# KiCad board data-center-ddr5-tester.kicad_pcb (continued)
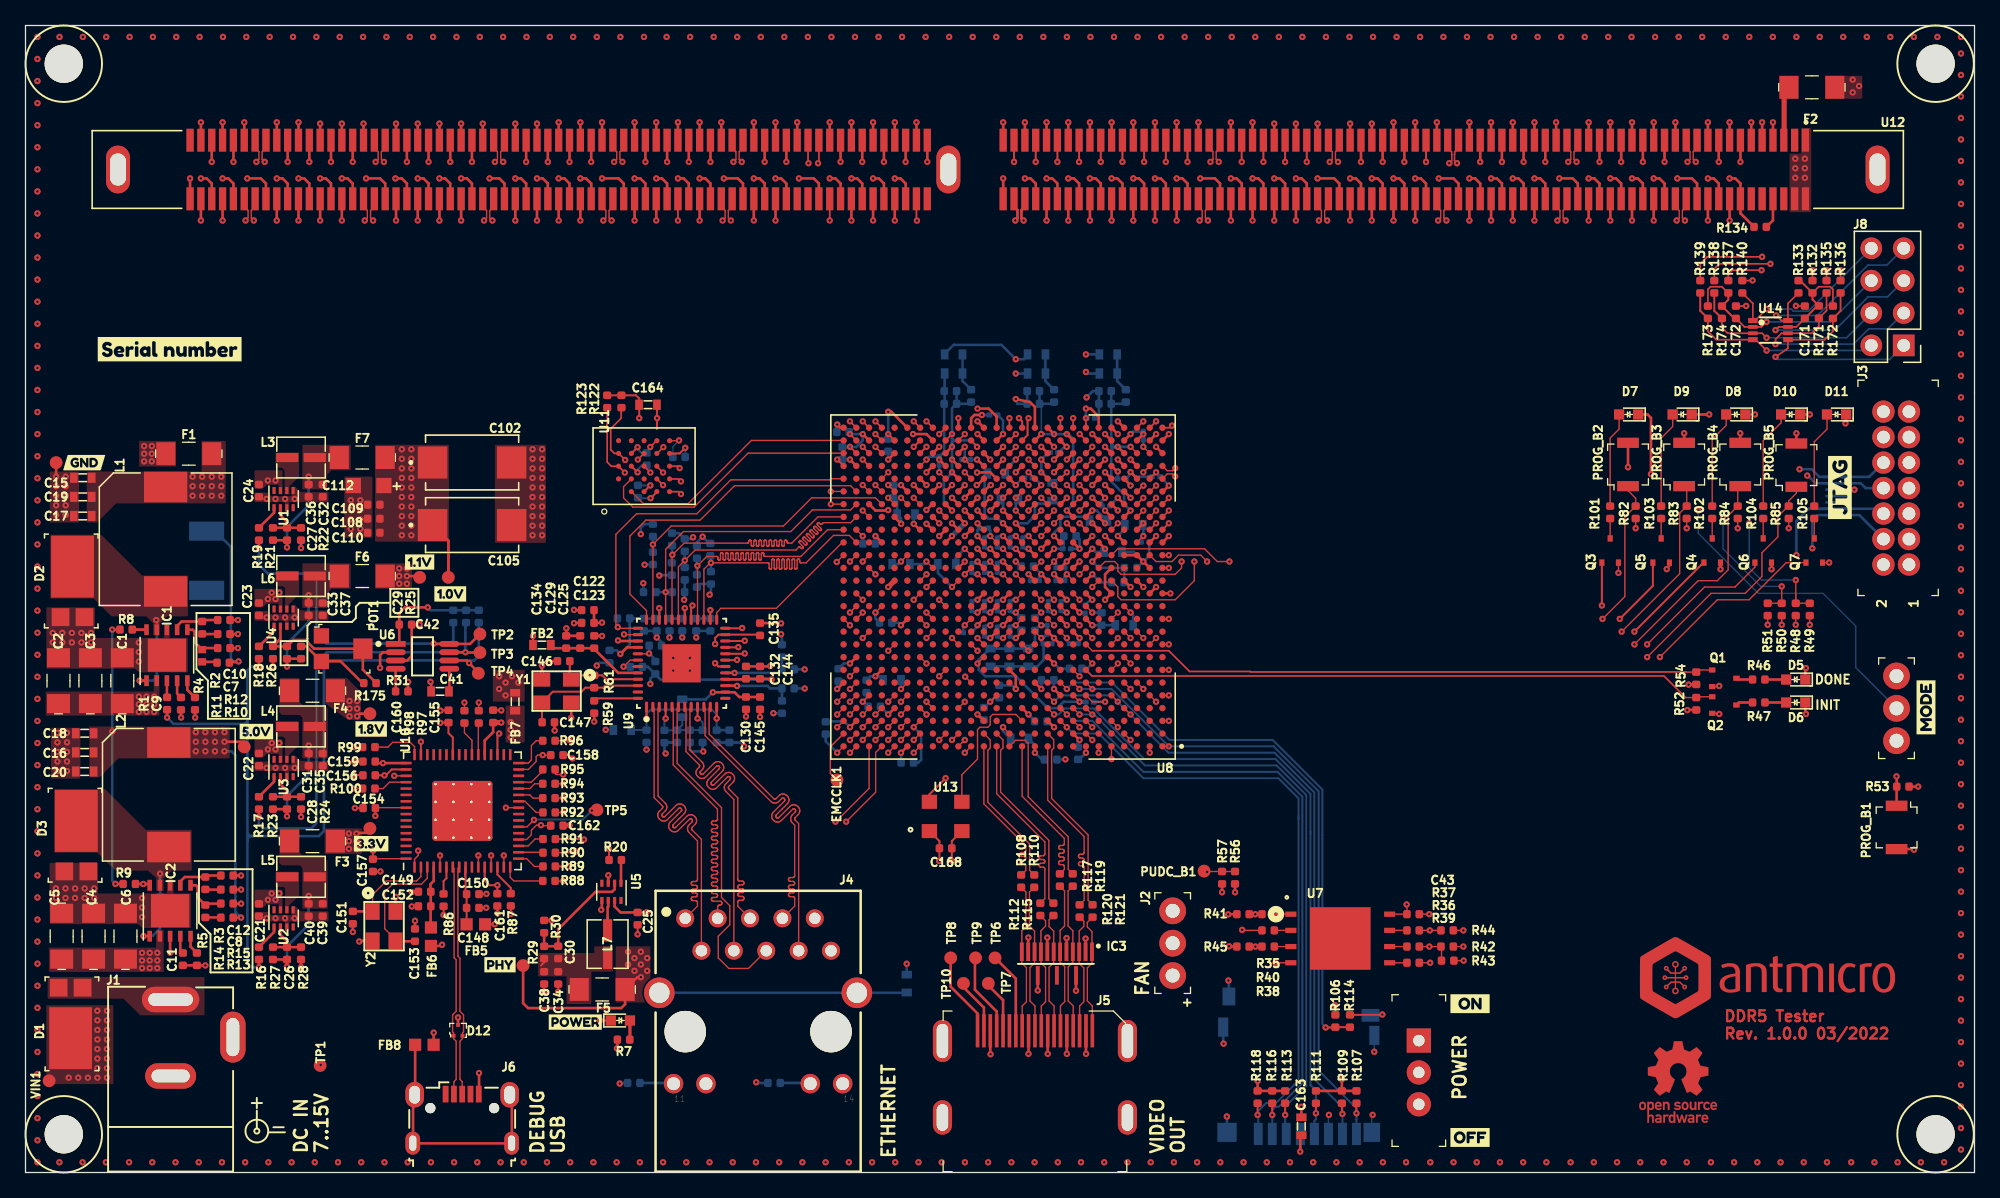
[diagram p0: board, top side]
## Routing (per net, layer and track width the routed paths; a pad name or vN(x,y) marks a point on that pad's centre or on a via; arc(x,y) is an arc through that point) (continued)
DQ4_B: length 57.1
  Top w0.127: U8.AE17 v4(73.64,57.94)
  Top w0.2: U12.107 v4(44.35,79.3)
  In2.Cu w0.127: v4(44.35,79.3) 44.35,78.9 44.35,78.87 44.34,78.84 44.32,78.82 44.3,78.8 44.28,78.79 44.25,78.78 44.22,78.77 44.11,78.77 44.08,78.77 44.06,78.76 44.03,78.75 44.01,78.73 44,78.7 43.99,78.67 43.98,78.65 43.99,78.62 44,78.59 44.01,78.57 44.03,78.55 44.06,78.53 44.08,78.52 44.11,78.52 44.59,78.52 44.62,78.52 44.64,78.51 44.67,78.49 44.69,78.47 44.7,78.45 44.71,78.42 44.72,78.39 44.71,78.36 44.7,78.34 44.69,78.31 44.67,78.29 44.64,78.28 44.62,78.27 44.59,78.27 44.11,78.27 44.08,78.26 44.06,78.25 44.03,78.24 44.01,78.22 44,78.19 43.99,78.17 43.98,78.14 43.99,78.11 44,78.08 44.01,78.06 44.03,78.04 44.06,78.02 44.08,78.01 44.11,78.01 44.59,78.01 44.62,78.01 44.64,78 44.67,77.98 44.69,77.96 44.7,77.94 44.71,77.91 44.72,77.88 44.71,77.86 44.7,77.83 44.69,77.8 44.67,77.78 44.64,77.77 44.62,77.76 44.59,77.76 44.11,77.76 44.08,77.75 44.06,77.74 44.03,77.73 44.01,77.71 44,77.69 43.99,77.66 43.98,77.63 43.99,77.6 44,77.57 44.01,77.55 44.03,77.53 44.06,77.52 44.08,77.51 44.11,77.5 44.59,77.5 44.62,77.5 44.64,77.49 44.67,77.48 44.69,77.46 44.7,77.43 44.71,77.4 44.72,77.38 44.71,77.35 44.7,77.32 44.69,77.3 44.67,77.28 44.64,77.26 44.62,77.25 44.59,77.25 44.11,77.25 44.08,77.25 44.06,77.24 44.03,77.22 44.01,77.2 44,77.18 43.99,77.15 43.98,77.12 43.99,77.09 44,77.07 44.01,77.04 44.03,77.02 44.06,77.01 44.08,77 44.11,77 44.59,77 44.62,76.99 44.64,76.98 44.67,76.97 44.69,76.95 44.7,76.92 44.71,76.9 44.72,76.87 44.71,76.84 44.7,76.81 44.69,76.79 44.67,76.77 44.64,76.75 44.62,76.74 44.59,76.74 44.11,76.74 44.08,76.74 44.06,76.73 44.03,76.71 44.01,76.69 44,76.67 43.99,76.64 43.98,76.61 43.99,76.59 44,76.56 44.01,76.53 44.03,76.51 44.06,76.5 44.08,76.49 44.11,76.49 44.22,76.49 44.25,76.48 44.28,76.47 44.3,76.46 44.32,76.44 44.34,76.42 44.35,76.39 44.35,76.36 44.35,63.98 45.89,62.44 69.39,62.44 71.14,60.69 71.14,57.77 71.47,57.44 U8.AE17 v4(73.64,57.94)
DQ5_A: length 77.6
  Top w0.2: U12.16 v4(126.8,79.3) ; U8.V3 v4(87.64,50.94)
  In2.Cu w0.127: v4(126.8,79.3) 126.8,78.8 126.8,78.77 126.79,78.74 126.77,78.72 126.75,78.7 126.73,78.69 126.7,78.68 126.67,78.67 126.53,78.67 126.51,78.67 126.48,78.66 126.46,78.65 126.43,78.63 126.42,78.6 126.41,78.57 126.41,78.55 126.41,78.52 126.42,78.49 126.43,78.47 126.46,78.45 126.48,78.43 126.51,78.42 126.53,78.42 127.07,78.42 127.09,78.42 127.12,78.41 127.14,78.39 127.17,78.37 127.18,78.35 127.19,78.32 127.19,78.29 127.19,78.26 127.18,78.24 127.17,78.21 127.14,78.19 127.12,78.18 127.09,78.17 127.07,78.16 126.53,78.16 126.51,78.16 126.48,78.15 126.46,78.14 126.43,78.12 126.42,78.09 126.41,78.07 126.41,78.04 126.41,78.01 126.42,77.98 126.43,77.96 126.46,77.94 126.48,77.92 126.51,77.91 126.53,77.91 127.07,77.91 127.09,77.91 127.12,77.9 127.14,77.88 127.17,77.86 127.18,77.84 127.19,77.81 127.19,77.78 127.19,77.76 127.18,77.73 127.17,77.7 127.14,77.68 127.12,77.67 127.09,77.66 127.07,77.66 126.53,77.66 126.51,77.65 126.48,77.64 126.46,77.63 126.43,77.61 126.42,77.59 126.41,77.56 126.41,77.53 126.41,77.5 126.42,77.47 126.43,77.45 126.46,77.43 126.48,77.42 126.51,77.41 126.53,77.4 127.07,77.4 127.09,77.4 127.12,77.39 127.14,77.38 127.17,77.36 127.18,77.33 127.19,77.3 127.19,77.28 127.19,77.25 127.18,77.22 127.17,77.2 127.14,77.18 127.12,77.16 127.09,77.15 127.07,77.15 126.53,77.15 126.51,77.15 126.48,77.14 126.46,77.12 126.43,77.1 126.42,77.08 126.41,77.05 126.41,77.02 126.41,76.99 126.42,76.97 126.43,76.94 126.46,76.92 126.48,76.91 126.51,76.9 126.53,76.9 127.07,76.9 127.09,76.89 127.12,76.88 127.14,76.87 127.17,76.85 127.18,76.82 127.19,76.8 127.19,76.77 127.19,76.74 127.18,76.71 127.17,76.69 127.14,76.67 127.12,76.65 127.09,76.64 127.07,76.64 126.53,76.64 126.51,76.64 126.48,76.63 126.46,76.61 126.43,76.59 126.42,76.57 126.41,76.54 126.41,76.51 126.41,76.49 126.42,76.46 126.43,76.43 126.46,76.41 126.48,76.4 126.51,76.39 126.53,76.39 127.07,76.39 127.09,76.38 127.12,76.37 127.14,76.36 127.17,76.34 127.18,76.32 127.19,76.29 127.19,76.26 127.19,76.23 127.18,76.2 127.17,76.18 127.14,76.16 127.12,76.15 127.09,76.14 127.07,76.13 126.53,76.13 126.51,76.13 126.48,76.12 126.46,76.11 126.43,76.09 126.42,76.06 126.41,76.03 126.41,76.01 126.41,75.98 126.42,75.95 126.43,75.93 126.46,75.91 126.48,75.89 126.51,75.88 126.53,75.88 127.07,75.88 127.09,75.88 127.12,75.87 127.14,75.85 127.17,75.83 127.18,75.81 127.19,75.78 127.19,75.75 127.19,75.72 127.18,75.7 127.17,75.67 127.14,75.65 127.12,75.64 127.09,75.63 127.07,75.62 126.53,75.62 126.51,75.62 126.48,75.61 126.46,75.6 126.43,75.58 126.42,75.55 126.41,75.53 126.41,75.5 126.41,75.47 126.42,75.44 126.43,75.42 126.46,75.4 126.48,75.38 126.51,75.37 126.53,75.37 127.07,75.37 127.09,75.37 127.12,75.36 127.14,75.34 127.17,75.32 127.18,75.3 127.19,75.27 127.19,75.24 127.19,75.22 127.18,75.19 127.17,75.16 127.14,75.14 127.12,75.13 127.09,75.12 127.07,75.12 126.53,75.12 126.51,75.11 126.48,75.1 126.46,75.09 126.43,75.07 126.42,75.05 126.41,75.02 126.41,74.99 126.41,74.96 126.42,74.93 126.43,74.91 126.46,74.89 126.48,74.88 126.51,74.87 126.53,74.86 127.07,74.86 127.09,74.86 127.12,74.85 127.14,74.84 127.17,74.82 127.18,74.79 127.19,74.76 127.19,74.74 127.19,74.71 127.18,74.68 127.17,74.66 127.14,74.64 127.12,74.62 127.09,74.61 127.07,74.61 126.53,74.61 126.51,74.61 126.48,74.6 126.46,74.58 126.43,74.56 126.42,74.54 126.41,74.51 126.41,74.48 126.41,74.45 126.42,74.43 126.43,74.4 126.46,74.38 126.48,74.37 126.51,74.36 126.53,74.35 127.07,74.35 127.09,74.35 127.12,74.34 127.14,74.33 127.17,74.31 127.18,74.28 127.19,74.26 127.19,74.23 127.19,74.2 127.18,74.17 127.17,74.15 127.14,74.13 127.12,74.11 127.09,74.1 127.07,74.1 126.53,74.1 126.51,74.1 126.48,74.09 126.46,74.07 126.43,74.05 126.42,74.03 126.41,74 126.41,73.97 126.41,73.95 126.42,73.92 126.43,73.89 126.46,73.87 126.48,73.86 126.51,73.85 126.53,73.85 127.07,73.85 127.09,73.84 127.12,73.83 127.14,73.82 127.17,73.8 127.18,73.78 127.19,73.75 127.19,73.72 127.19,73.69 127.18,73.66 127.17,73.64 127.14,73.62 127.12,73.61 127.09,73.6 127.07,73.59 126.53,73.59 126.51,73.59 126.48,73.58 126.46,73.57 126.43,73.55 126.42,73.52 126.41,73.49 126.41,73.47 126.41,73.44 126.42,73.41 126.43,73.39 126.46,73.37 126.48,73.35 126.51,73.34 126.53,73.34 127.07,73.34 127.09,73.34 127.12,73.33 127.14,73.31 127.17,73.29 127.18,73.27 127.19,73.24 127.19,73.21 127.19,73.18 127.18,73.16 127.17,73.13 127.14,73.11 127.12,73.1 127.09,73.09 127.07,73.09 126.53,73.09 126.51,73.08 126.48,73.07 126.46,73.06 126.43,73.04 126.42,73.01 126.41,72.99 126.41,72.96 126.41,72.93 126.42,72.9 126.43,72.88 126.46,72.86 126.48,72.84 126.51,72.83 126.53,72.83 126.67,72.83 126.7,72.83 126.73,72.82 126.75,72.8 126.77,72.78 126.79,72.76 126.8,72.73 126.8,72.7 126.8,64.85 112.89,50.94 90.64,50.94 90.14,51.44 88.14,51.44 v4(87.64,50.94)
DQ5_B: length 57.1
  Top w0.2: U12.109 v4(42.65,79.3) ; U8.AD15 v4(75.64,55.94)
  In2.Cu w0.127: v4(75.64,55.94) 75.14,55.44 70.39,55.44 70.14,55.69 70.14,60.19 68.89,61.44 45.14,61.44 42.65,63.93 v4(42.65,79.3)
DQ6_A: length 77.6
  Top w0.2: U12.159 v4(127.65,74.7) ; U8.U2 v4(88.64,49.94)
  In2.Cu w0.127: v4(88.64,49.94) 89.14,50.44 113.39,50.44 127.65,64.7 127.65,65.08 127.65,65.1 127.66,65.13 127.68,65.16 127.7,65.18 127.72,65.19 127.75,65.2 127.78,65.2 127.91,65.2 127.94,65.21 127.97,65.22 127.99,65.23 128.01,65.25 128.03,65.27 128.04,65.3 128.04,65.33 128.04,65.36 128.03,65.39 128.01,65.41 127.99,65.43 127.97,65.44 127.94,65.45 127.91,65.46 127.39,65.46 127.36,65.46 127.33,65.47 127.31,65.48 127.29,65.5 127.27,65.53 127.26,65.56 127.26,65.58 127.26,65.61 127.27,65.64 127.29,65.66 127.31,65.68 127.33,65.7 127.36,65.71 127.39,65.71 127.91,65.71 127.94,65.71 127.97,65.72 127.99,65.74 128.01,65.76 128.03,65.78 128.04,65.81 128.04,65.84 128.04,65.87 128.03,65.89 128.01,65.92 127.99,65.94 127.97,65.95 127.94,65.96 127.91,65.97 127.39,65.97 127.36,65.97 127.33,65.98 127.31,65.99 127.29,66.01 127.27,66.04 127.26,66.06 127.26,66.09 127.26,66.12 127.27,66.15 127.29,66.17 127.31,66.19 127.33,66.21 127.36,66.22 127.39,66.22 127.91,66.22 127.94,66.22 127.97,66.23 127.99,66.25 128.01,66.27 128.03,66.29 128.04,66.32 128.04,66.35 128.04,66.37 128.03,66.4 128.01,66.43 127.99,66.45 127.97,66.46 127.94,66.47 127.91,66.47 127.39,66.47 127.36,66.48 127.33,66.49 127.31,66.5 127.29,66.52 127.27,66.54 127.26,66.57 127.26,66.6 127.26,66.63 127.27,66.66 127.29,66.68 127.31,66.7 127.33,66.71 127.36,66.72 127.39,66.73 127.91,66.73 127.94,66.73 127.97,66.74 127.99,66.75 128.01,66.77 128.03,66.8 128.04,66.83 128.04,66.85 128.04,66.88 128.03,66.91 128.01,66.93 127.99,66.95 127.97,66.97 127.94,66.98 127.91,66.98 127.39,66.98 127.36,66.98 127.33,66.99 127.31,67.01 127.29,67.03 127.27,67.05 127.26,67.08 127.26,67.11 127.26,67.14 127.27,67.16 127.29,67.19 127.31,67.21 127.33,67.22 127.36,67.23 127.39,67.23 127.91,67.23 127.94,67.24 127.97,67.25 127.99,67.26 128.01,67.28 128.03,67.31 128.04,67.33 128.04,67.36 128.04,67.39 128.03,67.42 128.01,67.44 127.99,67.46 127.97,67.48 127.94,67.49 127.91,67.49 127.39,67.49 127.36,67.49 127.33,67.5 127.31,67.52 127.29,67.54 127.27,67.56 127.26,67.59 127.26,67.62 127.26,67.64 127.27,67.67 127.29,67.7 127.31,67.72 127.33,67.73 127.36,67.74 127.39,67.74 127.91,67.74 127.94,67.75 127.97,67.76 127.99,67.77 128.01,67.79 128.03,67.81 128.04,67.84 128.04,67.87 128.04,67.9 128.03,67.93 128.01,67.95 127.99,67.97 127.97,67.98 127.94,67.99 127.91,68 127.39,68 127.36,68 127.33,68.01 127.31,68.02 127.29,68.04 127.27,68.07 127.26,68.1 127.26,68.12 127.26,68.15 127.27,68.18 127.29,68.2 127.31,68.22 127.33,68.24 127.36,68.25 127.39,68.25 127.91,68.25 127.94,68.25 127.97,68.26 127.99,68.28 128.01,68.3 128.03,68.32 128.04,68.35 128.04,68.38 128.04,68.41 128.03,68.43 128.01,68.46 127.99,68.48 127.97,68.49 127.94,68.5 127.91,68.5 127.39,68.5 127.36,68.51 127.33,68.52 127.31,68.53 127.29,68.55 127.27,68.58 127.26,68.6 127.26,68.63 127.26,68.66 127.27,68.69 127.29,68.71 127.31,68.73 127.33,68.75 127.36,68.76 127.39,68.76 127.91,68.76 127.94,68.76 127.97,68.77 127.99,68.79 128.01,68.81 128.03,68.83 128.04,68.86 128.04,68.89 128.04,68.91 128.03,68.94 128.01,68.97 127.99,68.99 127.97,69 127.94,69.01 127.91,69.01 127.39,69.01 127.36,69.02 127.33,69.03 127.31,69.04 127.29,69.06 127.27,69.08 127.26,69.11 127.26,69.14 127.26,69.17 127.27,69.2 127.29,69.22 127.31,69.24 127.33,69.25 127.36,69.26 127.39,69.27 127.91,69.27 127.94,69.27 127.97,69.28 127.99,69.29 128.01,69.31 128.03,69.34 128.04,69.37 128.04,69.39 128.04,69.42 128.03,69.45 128.01,69.47 127.99,69.49 127.97,69.51 127.94,69.52 127.91,69.52 127.39,69.52 127.36,69.52 127.33,69.53 127.31,69.55 127.29,69.57 127.27,69.59 127.26,69.62 127.26,69.65 127.26,69.68 127.27,69.7 127.29,69.73 127.31,69.75 127.33,69.76 127.36,69.77 127.39,69.78 127.91,69.78 127.94,69.78 127.97,69.79 127.99,69.8 128.01,69.82 128.03,69.85 128.04,69.87 128.04,69.9 128.04,69.93 128.03,69.96 128.01,69.98 127.99,70 127.97,70.02 127.94,70.03 127.91,70.03 127.39,70.03 127.36,70.03 127.33,70.04 127.31,70.06 127.29,70.08 127.27,70.1 127.26,70.13 127.26,70.16 127.26,70.18 127.27,70.21 127.29,70.24 127.31,70.26 127.33,70.27 127.36,70.28 127.39,70.28 127.91,70.28 127.94,70.29 127.97,70.3 127.99,70.31 128.01,70.33 128.03,70.35 128.04,70.38 128.04,70.41 128.04,70.44 128.03,70.47 128.01,70.49 127.99,70.51 127.97,70.52 127.94,70.53 127.91,70.54 127.39,70.54 127.36,70.54 127.33,70.55 127.31,70.56 127.29,70.58 127.27,70.61 127.26,70.64 127.26,70.66 127.26,70.69 127.27,70.72 127.29,70.74 127.31,70.76 127.33,70.78 127.36,70.79 127.39,70.79 127.91,70.79 127.94,70.79 127.97,70.8 127.99,70.82 128.01,70.84 128.03,70.86 128.04,70.89 128.04,70.92 128.04,70.95 128.03,70.97 128.01,71 127.99,71.02 127.97,71.03 127.94,71.04 127.91,71.05 127.39,71.05 127.36,71.05 127.33,71.06 127.31,71.07 127.29,71.09 127.27,71.12 127.26,71.14 127.26,71.17 127.26,71.2 127.27,71.23 127.29,71.25 127.31,71.27 127.33,71.29 127.36,71.3 127.39,71.3 127.91,71.3 127.94,71.3 127.97,71.31 127.99,71.33 128.01,71.35 128.03,71.37 128.04,71.4 128.04,71.43 128.04,71.45 128.03,71.48 128.01,71.51 127.99,71.53 127.97,71.54 127.94,71.55 127.91,71.55 127.39,71.55 127.36,71.56 127.33,71.57 127.31,71.58 127.29,71.6 127.27,71.62 127.26,71.65 127.26,71.68 127.26,71.71 127.27,71.74 127.29,71.76 127.31,71.78 127.33,71.79 127.36,71.8 127.39,71.81 127.91,71.81 127.94,71.81 127.97,71.82 127.99,71.83 128.01,71.85 128.03,71.88 128.04,71.91 128.04,71.93 128.04,71.96 128.03,71.99 128.01,72.01 127.99,72.03 127.97,72.05 127.94,72.06 127.91,72.06 127.39,72.06 127.36,72.06 127.33,72.07 127.31,72.09 127.29,72.11 127.27,72.13 127.26,72.16 127.26,72.19 127.26,72.22 127.27,72.24 127.29,72.27 127.31,72.29 127.33,72.3 127.36,72.31 127.39,72.31 127.91,72.31 127.94,72.32 127.97,72.33 127.99,72.34 128.01,72.36 128.03,72.39 128.04,72.41 128.04,72.44 128.04,72.47 128.03,72.5 128.01,72.52 127.99,72.54 127.97,72.56 127.94,72.57 127.91,72.57 127.39,72.57 127.36,72.57 127.33,72.58 127.31,72.6 127.29,72.62 127.27,72.64 127.26,72.67 127.26,72.7 127.26,72.72 127.27,72.75 127.29,72.78 127.31,72.8 127.33,72.81 127.36,72.82 127.39,72.82 127.52,72.82 127.55,72.83 127.58,72.84 127.6,72.85 127.62,72.87 127.64,72.89 127.65,72.92 127.65,72.95 v4(127.65,74.7)
DQ6_B: length 57.1
  Top w0.127: U8.AF19 v4(70.64,58.94)
  Top w0.2: U12.252 v4(43.5,74.7)
  In2.Cu w0.127: v4(43.5,74.7) 43.5,74.25 43.5,74.22 43.49,74.19 43.47,74.17 43.45,74.15 43.43,74.14 43.4,74.13 43.37,74.12 43.24,74.12 43.21,74.12 43.18,74.11 43.16,74.1 43.14,74.08 43.12,74.05 43.11,74.02 43.11,74 43.11,73.97 43.12,73.94 43.14,73.92 43.16,73.9 43.18,73.88 43.21,73.87 43.24,73.87 43.76,73.87 43.79,73.87 43.82,73.86 43.84,73.84 43.86,73.82 43.88,73.8 43.89,73.77 43.89,73.74 43.89,73.71 43.88,73.69 43.86,73.66 43.84,73.64 43.82,73.63 43.79,73.62 43.76,73.62 43.24,73.62 43.21,73.61 43.18,73.6 43.16,73.59 43.14,73.57 43.12,73.54 43.11,73.52 43.11,73.49 43.11,73.46 43.12,73.43 43.14,73.41 43.16,73.39 43.18,73.37 43.21,73.36 43.24,73.36 43.76,73.36 43.79,73.36 43.82,73.35 43.84,73.33 43.86,73.31 43.88,73.29 43.89,73.26 43.89,73.23 43.89,73.21 43.88,73.18 43.86,73.15 43.84,73.13 43.82,73.12 43.79,73.11 43.76,73.11 43.24,73.11 43.21,73.1 43.18,73.09 43.16,73.08 43.14,73.06 43.12,73.04 43.11,73.01 43.11,72.98 43.11,72.95 43.12,72.92 43.14,72.9 43.16,72.88 43.18,72.87 43.21,72.86 43.24,72.85 43.76,72.85 43.79,72.85 43.82,72.84 43.84,72.83 43.86,72.81 43.88,72.78 43.89,72.75 43.89,72.73 43.89,72.7 43.88,72.67 43.86,72.65 43.84,72.63 43.82,72.61 43.79,72.6 43.76,72.6 43.24,72.6 43.21,72.6 43.18,72.59 43.16,72.57 43.14,72.55 43.12,72.53 43.11,72.5 43.11,72.47 43.11,72.44 43.12,72.42 43.14,72.39 43.16,72.37 43.18,72.36 43.21,72.35 43.24,72.34 43.76,72.34 43.79,72.34 43.82,72.33 43.84,72.32 43.86,72.3 43.88,72.27 43.89,72.25 43.89,72.22 43.89,72.19 43.88,72.16 43.86,72.14 43.84,72.12 43.82,72.1 43.79,72.09 43.76,72.09 43.24,72.09 43.21,72.09 43.18,72.08 43.16,72.06 43.14,72.04 43.12,72.02 43.11,71.99 43.11,71.96 43.11,71.94 43.12,71.91 43.14,71.88 43.16,71.86 43.18,71.85 43.21,71.84 43.24,71.84 43.76,71.84 43.79,71.83 43.82,71.82 43.84,71.81 43.86,71.79 43.88,71.77 43.89,71.74 43.89,71.71 43.89,71.68 43.88,71.65 43.86,71.63 43.84,71.61 43.82,71.6 43.79,71.59 43.76,71.58 43.24,71.58 43.21,71.58 43.18,71.57 43.16,71.56 43.14,71.54 43.12,71.51 43.11,71.48 43.11,71.46 43.11,71.43 43.12,71.4 43.14,71.38 43.16,71.36 43.18,71.34 43.21,71.33 43.24,71.33 43.76,71.33 43.79,71.33 43.82,71.32 43.84,71.3 43.86,71.28 43.88,71.26 43.89,71.23 43.89,71.2 43.89,71.17 43.88,71.15 43.86,71.12 43.84,71.1 43.82,71.09 43.79,71.08 43.76,71.08 43.24,71.08 43.21,71.07 43.18,71.06 43.16,71.05 43.14,71.03 43.12,71 43.11,70.98 43.11,70.95 43.11,70.92 43.12,70.89 43.14,70.87 43.16,70.85 43.18,70.83 43.21,70.82 43.24,70.82 43.76,70.82 43.79,70.82 43.82,70.81 43.84,70.79 43.86,70.77 43.88,70.75 43.89,70.72 43.89,70.69 43.89,70.67 43.88,70.64 43.86,70.61 43.84,70.59 43.82,70.58 43.79,70.57 43.76,70.57 43.24,70.57 43.21,70.56 43.18,70.55 43.16,70.54 43.14,70.52 43.12,70.5 43.11,70.47 43.11,70.44 43.11,70.41 43.12,70.38 43.14,70.36 43.16,70.34 43.18,70.33 43.21,70.32 43.24,70.31 43.76,70.31 43.79,70.31 43.82,70.3 43.84,70.29 43.86,70.27 43.88,70.24 43.89,70.21 43.89,70.19 43.89,70.16 43.88,70.13 43.86,70.11 43.84,70.09 43.82,70.07 43.79,70.06 43.76,70.06 43.24,70.06 43.21,70.06 43.18,70.05 43.16,70.03 43.14,70.01 43.12,69.99 43.11,69.96 43.11,69.93 43.11,69.9 43.12,69.88 43.14,69.85 43.16,69.83 43.18,69.82 43.21,69.81 43.24,69.81 43.76,69.81 43.79,69.8 43.82,69.79 43.84,69.78 43.86,69.76 43.88,69.73 43.89,69.71 43.89,69.68 43.89,69.65 43.88,69.62 43.86,69.6 43.84,69.58 43.82,69.56 43.79,69.55 43.76,69.55 43.24,69.55 43.21,69.55 43.18,69.54 43.16,69.52 43.14,69.5 43.12,69.48 43.11,69.45 43.11,69.42 43.11,69.4 43.12,69.37 43.14,69.34 43.16,69.32 43.18,69.31 43.21,69.3 43.24,69.3 43.76,69.3 43.79,69.29 43.82,69.28 43.84,69.27 43.86,69.25 43.88,69.23 43.89,69.2 43.89,69.17 43.89,69.14 43.88,69.11 43.86,69.09 43.84,69.07 43.82,69.06 43.79,69.05 43.76,69.04 43.24,69.04 43.21,69.04 43.18,69.03 43.16,69.02 43.14,69 43.12,68.97 43.11,68.94 43.11,68.92 43.11,68.89 43.12,68.86 43.14,68.84 43.16,68.82 43.18,68.8 43.21,68.79 43.24,68.79 43.37,68.79 43.4,68.79 43.43,68.78 43.45,68.76 43.47,68.74 43.49,68.72 43.5,68.69 43.5,68.66 43.5,64.08 45.64,61.94 69.14,61.94 70.64,60.44 v4(70.64,58.94)
DQ7_A: length 77.6
  Top w0.127: U8.W3 v4(87.64,51.94)
  Top w0.2: U12.161 v4(125.95,74.7)
  In2.Cu w0.127: v4(87.64,51.94) 88.64,51.94 89.14,52.44 89.89,52.44 90.89,51.44 112.39,51.44 123.04,62.09 125.23,64.29 125.25,64.31 125.26,64.33 125.27,64.36 125.27,64.39 125.26,64.42 125.25,64.44 125.23,64.46 125.13,64.57 125.11,64.59 125.1,64.61 125.09,64.64 125.09,64.67 125.1,64.7 125.11,64.72 125.13,64.75 125.15,64.76 125.18,64.78 125.21,64.78 125.23,64.78 125.26,64.78 125.29,64.76 125.31,64.75 125.69,64.36 125.71,64.35 125.74,64.33 125.77,64.33 125.8,64.33 125.82,64.33 125.85,64.35 125.87,64.36 125.89,64.39 125.9,64.41 125.91,64.44 125.91,64.47 125.9,64.5 125.89,64.52 125.87,64.54 125.49,64.92 125.47,64.95 125.46,64.97 125.45,65 125.45,65.03 125.46,65.06 125.47,65.08 125.49,65.1 125.51,65.12 125.54,65.13 125.57,65.14 125.59,65.14 125.62,65.13 125.65,65.12 125.67,65.1 125.77,65 125.79,64.99 125.82,64.97 125.85,64.97 125.87,64.97 125.9,64.97 125.93,64.99 125.95,65 125.95,65.38 125.95,65.41 125.96,65.44 125.98,65.46 126,65.48 126.02,65.5 126.05,65.51 126.08,65.51 126.22,65.51 126.25,65.51 126.27,65.52 126.3,65.54 126.32,65.56 126.33,65.58 126.34,65.61 126.35,65.64 126.34,65.67 126.33,65.69 126.32,65.72 126.3,65.74 126.27,65.75 126.25,65.76 126.22,65.77 125.68,65.77 125.65,65.77 125.63,65.78 125.6,65.79 125.58,65.81 125.57,65.84 125.56,65.86 125.55,65.89 125.56,65.92 125.57,65.95 125.58,65.97 125.6,65.99 125.63,66.01 125.65,66.02 125.68,66.02 126.22,66.02 126.25,66.02 126.27,66.03 126.3,66.05 126.32,66.07 126.33,66.09 126.34,66.12 126.35,66.15 126.34,66.17 126.33,66.2 126.32,66.23 126.3,66.25 126.27,66.26 126.25,66.27 126.22,66.27 125.68,66.27 125.65,66.28 125.63,66.29 125.6,66.3 125.58,66.32 125.57,66.34 125.56,66.37 125.55,66.4 125.56,66.43 125.57,66.46 125.58,66.48 125.6,66.5 125.63,66.51 125.65,66.52 125.68,66.53 126.22,66.53 126.25,66.53 126.27,66.54 126.3,66.55 126.32,66.57 126.33,66.6 126.34,66.63 126.35,66.65 126.34,66.68 126.33,66.71 126.32,66.73 126.3,66.75 126.27,66.77 126.25,66.78 126.22,66.78 125.68,66.78 125.65,66.78 125.63,66.79 125.6,66.81 125.58,66.83 125.57,66.85 125.56,66.88 125.55,66.91 125.56,66.94 125.57,66.96 125.58,66.99 125.6,67.01 125.63,67.02 125.65,67.03 125.68,67.03 126.22,67.03 126.25,67.04 126.27,67.05 126.3,67.06 126.32,67.08 126.33,67.11 126.34,67.13 126.35,67.16 126.34,67.19 126.33,67.22 126.32,67.24 126.3,67.26 126.27,67.28 126.25,67.29 126.22,67.29 125.68,67.29 125.65,67.29 125.63,67.3 125.6,67.32 125.58,67.34 125.57,67.36 125.56,67.39 125.55,67.42 125.56,67.44 125.57,67.47 125.58,67.5 125.6,67.52 125.63,67.53 125.65,67.54 125.68,67.54 126.22,67.54 126.25,67.55 126.27,67.56 126.3,67.57 126.32,67.59 126.33,67.61 126.34,67.64 126.35,67.67 126.34,67.7 126.33,67.73 126.32,67.75 126.3,67.77 126.27,67.78 126.25,67.79 126.22,67.8 125.68,67.8 125.65,67.8 125.63,67.81 125.6,67.82 125.58,67.84 125.57,67.87 125.56,67.9 125.55,67.92 125.56,67.95 125.57,67.98 125.58,68 125.6,68.02 125.63,68.04 125.65,68.05 125.68,68.05 126.22,68.05 126.25,68.05 126.27,68.06 126.3,68.08 126.32,68.1 126.33,68.12 126.34,68.15 126.35,68.18 126.34,68.21 126.33,68.23 126.32,68.26 126.3,68.28 126.27,68.29 126.25,68.3 126.22,68.31 125.68,68.31 125.65,68.31 125.63,68.32 125.6,68.33 125.58,68.35 125.57,68.38 125.56,68.4 125.55,68.43 125.56,68.46 125.57,68.49 125.58,68.51 125.6,68.53 125.63,68.55 125.65,68.56 125.68,68.56 126.22,68.56 126.25,68.56 126.27,68.57 126.3,68.59 126.32,68.61 126.33,68.63 126.34,68.66 126.35,68.69 126.34,68.71 126.33,68.74 126.32,68.77 126.3,68.79 126.27,68.8 126.25,68.81 126.22,68.81 125.68,68.81 125.65,68.82 125.63,68.83 125.6,68.84 125.58,68.86 125.57,68.88 125.56,68.91 125.55,68.94 125.56,68.97 125.57,69 125.58,69.02 125.6,69.04 125.63,69.05 125.65,69.06 125.68,69.07 126.22,69.07 126.25,69.07 126.27,69.08 126.3,69.09 126.32,69.11 126.33,69.14 126.34,69.17 126.35,69.19 126.34,69.22 126.33,69.25 126.32,69.27 126.3,69.29 126.27,69.31 126.25,69.32 126.22,69.32 125.68,69.32 125.65,69.32 125.63,69.33 125.6,69.35 125.58,69.37 125.57,69.39 125.56,69.42 125.55,69.45 125.56,69.48 125.57,69.5 125.58,69.53 125.6,69.55 125.63,69.56 125.65,69.57 125.68,69.58 126.22,69.58 126.25,69.58 126.27,69.59 126.3,69.6 126.32,69.62 126.33,69.65 126.34,69.67 126.35,69.7 126.34,69.73 126.33,69.76 126.32,69.78 126.3,69.8 126.27,69.82 126.25,69.83 126.22,69.83 125.68,69.83 125.65,69.83 125.63,69.84 125.6,69.86 125.58,69.88 125.57,69.9 125.56,69.93 125.55,69.96 125.56,69.98 125.57,70.01 125.58,70.04 125.6,70.06 125.63,70.07 125.65,70.08 125.68,70.08 126.22,70.08 126.25,70.09 126.27,70.1 126.3,70.11 126.32,70.13 126.33,70.15 126.34,70.18 126.35,70.21 126.34,70.24 126.33,70.27 126.32,70.29 126.3,70.31 126.27,70.32 126.25,70.33 126.22,70.34 125.68,70.34 125.65,70.34 125.63,70.35 125.6,70.36 125.58,70.38 125.57,70.41 125.56,70.44 125.55,70.46 125.56,70.49 125.57,70.52 125.58,70.54 125.6,70.56 125.63,70.58 125.65,70.59 125.68,70.59 126.22,70.59 126.25,70.59 126.27,70.6 126.3,70.62 126.32,70.64 126.33,70.66 126.34,70.69 126.35,70.72 126.34,70.75 126.33,70.77 126.32,70.8 126.3,70.82 126.27,70.83 126.25,70.84 126.22,70.84 125.68,70.84 125.65,70.85 125.63,70.86 125.6,70.87 125.58,70.89 125.57,70.92 125.56,70.94 125.55,70.97 125.56,71 125.57,71.03 125.58,71.05 125.6,71.07 125.63,71.09 125.65,71.1 125.68,71.1 126.22,71.1 126.25,71.1 126.27,71.11 126.3,71.13 126.32,71.15 126.33,71.17 126.34,71.2 126.35,71.23 126.34,71.25 126.33,71.28 126.32,71.31 126.3,71.33 126.27,71.34 126.25,71.35 126.22,71.35 125.68,71.35 125.65,71.36 125.63,71.37 125.6,71.38 125.58,71.4 125.57,71.42 125.56,71.45 125.55,71.48 125.56,71.51 125.57,71.54 125.58,71.56 125.6,71.58 125.63,71.59 125.65,71.6 125.68,71.61 126.22,71.61 126.25,71.61 126.27,71.62 126.3,71.63 126.32,71.65 126.33,71.68 126.34,71.71 126.35,71.73 126.34,71.76 126.33,71.79 126.32,71.81 126.3,71.83 126.27,71.85 126.25,71.86 126.22,71.86 125.68,71.86 125.65,71.86 125.63,71.87 125.6,71.89 125.58,71.91 125.57,71.93 125.56,71.96 125.55,71.99 125.56,72.02 125.57,72.04 125.58,72.07 125.6,72.09 125.63,72.1 125.65,72.11 125.68,72.12 126.22,72.12 126.25,72.12 126.27,72.13 126.3,72.14 126.32,72.16 126.33,72.19 126.34,72.21 126.35,72.24 126.34,72.27 126.33,72.3 126.32,72.32 126.3,72.34 126.27,72.36 126.25,72.37 126.22,72.37 125.68,72.37 125.65,72.37 125.63,72.38 125.6,72.4 125.58,72.42 125.57,72.44 125.56,72.47 125.55,72.5 125.56,72.52 125.57,72.55 125.58,72.58 125.6,72.6 125.63,72.61 125.65,72.62 125.68,72.62 125.82,72.62 125.85,72.63 125.88,72.64 125.9,72.65 125.92,72.67 125.94,72.69 125.95,72.72 125.95,72.75 v4(125.95,74.7)
DQ7_B: length 57.1
  Top w0.127: U8.AF20 v4(69.64,58.94)
  Top w0.2: U12.254 v4(41.8,74.7)
  In2.Cu w0.127: v4(41.8,74.7) 41.8,74.2 41.8,74.17 41.79,74.14 41.77,74.12 41.75,74.1 41.73,74.09 41.7,74.08 41.67,74.07 41.54,74.07 41.51,74.07 41.48,74.06 41.46,74.05 41.44,74.03 41.42,74 41.41,73.97 41.41,73.95 41.41,73.92 41.42,73.89 41.44,73.87 41.46,73.85 41.48,73.83 41.51,73.82 41.54,73.82 42.06,73.82 42.09,73.82 42.12,73.81 42.14,73.79 42.16,73.77 42.18,73.75 42.19,73.72 42.19,73.69 42.19,73.66 42.18,73.64 42.16,73.61 42.14,73.59 42.12,73.58 42.09,73.57 42.06,73.56 41.54,73.56 41.51,73.56 41.48,73.55 41.46,73.54 41.44,73.52 41.42,73.49 41.41,73.47 41.41,73.44 41.41,73.41 41.42,73.38 41.44,73.36 41.46,73.34 41.48,73.32 41.51,73.31 41.54,73.31 42.06,73.31 42.09,73.31 42.12,73.3 42.14,73.28 42.16,73.26 42.18,73.24 42.19,73.21 42.19,73.18 42.19,73.16 42.18,73.13 42.16,73.1 42.14,73.08 42.12,73.07 42.09,73.06 42.06,73.06 41.54,73.06 41.51,73.05 41.48,73.04 41.46,73.03 41.44,73.01 41.42,72.99 41.41,72.96 41.41,72.93 41.41,72.9 41.42,72.87 41.44,72.85 41.46,72.83 41.48,72.82 41.51,72.81 41.54,72.8 42.06,72.8 42.09,72.8 42.12,72.79 42.14,72.78 42.16,72.76 42.18,72.73 42.19,72.7 42.19,72.68 42.19,72.65 42.18,72.62 42.16,72.6 42.14,72.58 42.12,72.56 42.09,72.55 42.06,72.55 41.54,72.55 41.51,72.55 41.48,72.54 41.46,72.52 41.44,72.5 41.42,72.48 41.41,72.45 41.41,72.42 41.41,72.39 41.42,72.37 41.44,72.34 41.46,72.32 41.48,72.31 41.51,72.3 41.54,72.3 42.06,72.3 42.09,72.29 42.12,72.28 42.14,72.27 42.16,72.25 42.18,72.22 42.19,72.2 42.19,72.17 42.19,72.14 42.18,72.11 42.16,72.09 42.14,72.07 42.12,72.05 42.09,72.04 42.06,72.04 41.54,72.04 41.51,72.04 41.48,72.03 41.46,72.01 41.44,71.99 41.42,71.97 41.41,71.94 41.41,71.91 41.41,71.89 41.42,71.86 41.44,71.83 41.46,71.81 41.48,71.8 41.51,71.79 41.54,71.79 42.06,71.79 42.09,71.78 42.12,71.77 42.14,71.76 42.16,71.74 42.18,71.72 42.19,71.69 42.19,71.66 42.19,71.63 42.18,71.6 42.16,71.58 42.14,71.56 42.12,71.55 42.09,71.54 42.06,71.53 41.54,71.53 41.51,71.53 41.48,71.52 41.46,71.51 41.44,71.49 41.42,71.46 41.41,71.43 41.41,71.41 41.41,71.38 41.42,71.35 41.44,71.33 41.46,71.31 41.48,71.29 41.51,71.28 41.54,71.28 42.06,71.28 42.09,71.28 42.12,71.27 42.14,71.25 42.16,71.23 42.18,71.21 42.19,71.18 42.19,71.15 42.19,71.12 42.18,71.1 42.16,71.07 42.14,71.05 42.12,71.04 42.09,71.03 42.06,71.03 41.54,71.03 41.51,71.02 41.48,71.01 41.46,71 41.44,70.98 41.42,70.95 41.41,70.93 41.41,70.9 41.41,70.87 41.42,70.84 41.44,70.82 41.46,70.8 41.48,70.78 41.51,70.77 41.54,70.77 42.06,70.77 42.09,70.77 42.12,70.76 42.14,70.74 42.16,70.72 42.18,70.7 42.19,70.67 42.19,70.64 42.19,70.62 42.18,70.59 42.16,70.56 42.14,70.54 42.12,70.53 42.09,70.52 42.06,70.52 41.54,70.52 41.51,70.51 41.48,70.5 41.46,70.49 41.44,70.47 41.42,70.45 41.41,70.42 41.41,70.39 41.41,70.36 41.42,70.33 41.44,70.31 41.46,70.29 41.48,70.28 41.51,70.27 41.54,70.26 42.06,70.26 42.09,70.26 42.12,70.25 42.14,70.24 42.16,70.22 42.18,70.19 42.19,70.16 42.19,70.14 42.19,70.11 42.18,70.08 42.16,70.06 42.14,70.04 42.12,70.02 42.09,70.01 42.06,70.01 41.54,70.01 41.51,70.01 41.48,70 41.46,69.98 41.44,69.96 41.42,69.94 41.41,69.91 41.41,69.88 41.41,69.85 41.42,69.83 41.44,69.8 41.46,69.78 41.48,69.77 41.51,69.76 41.54,69.75 42.06,69.75 42.09,69.75 42.12,69.74 42.14,69.73 42.16,69.71 42.18,69.68 42.19,69.66 42.19,69.63 42.19,69.6 42.18,69.57 42.16,69.55 42.14,69.53 42.12,69.51 42.09,69.5 42.06,69.5 41.54,69.5 41.51,69.5 41.48,69.49 41.46,69.47 41.44,69.45 41.42,69.43 41.41,69.4 41.41,69.37 41.41,69.35 41.42,69.32 41.44,69.29 41.46,69.27 41.48,69.26 41.51,69.25 41.54,69.25 42.06,69.25 42.09,69.24 42.12,69.23 42.14,69.22 42.16,69.2 42.18,69.18 42.19,69.15 42.19,69.12 42.19,69.09 42.18,69.06 42.16,69.04 42.14,69.02 42.12,69.01 42.09,69 42.06,68.99 41.93,68.99 41.9,68.99 41.87,68.98 41.85,68.97 41.83,68.95 41.81,68.92 41.8,68.89 41.8,68.87 41.8,63.78 44.64,60.94 68.64,60.94 69.64,59.94 v4(69.64,58.94)